# KiCad board Panel_R0.5.1_300x300_2layer_step1.kicad_pcb (continued)
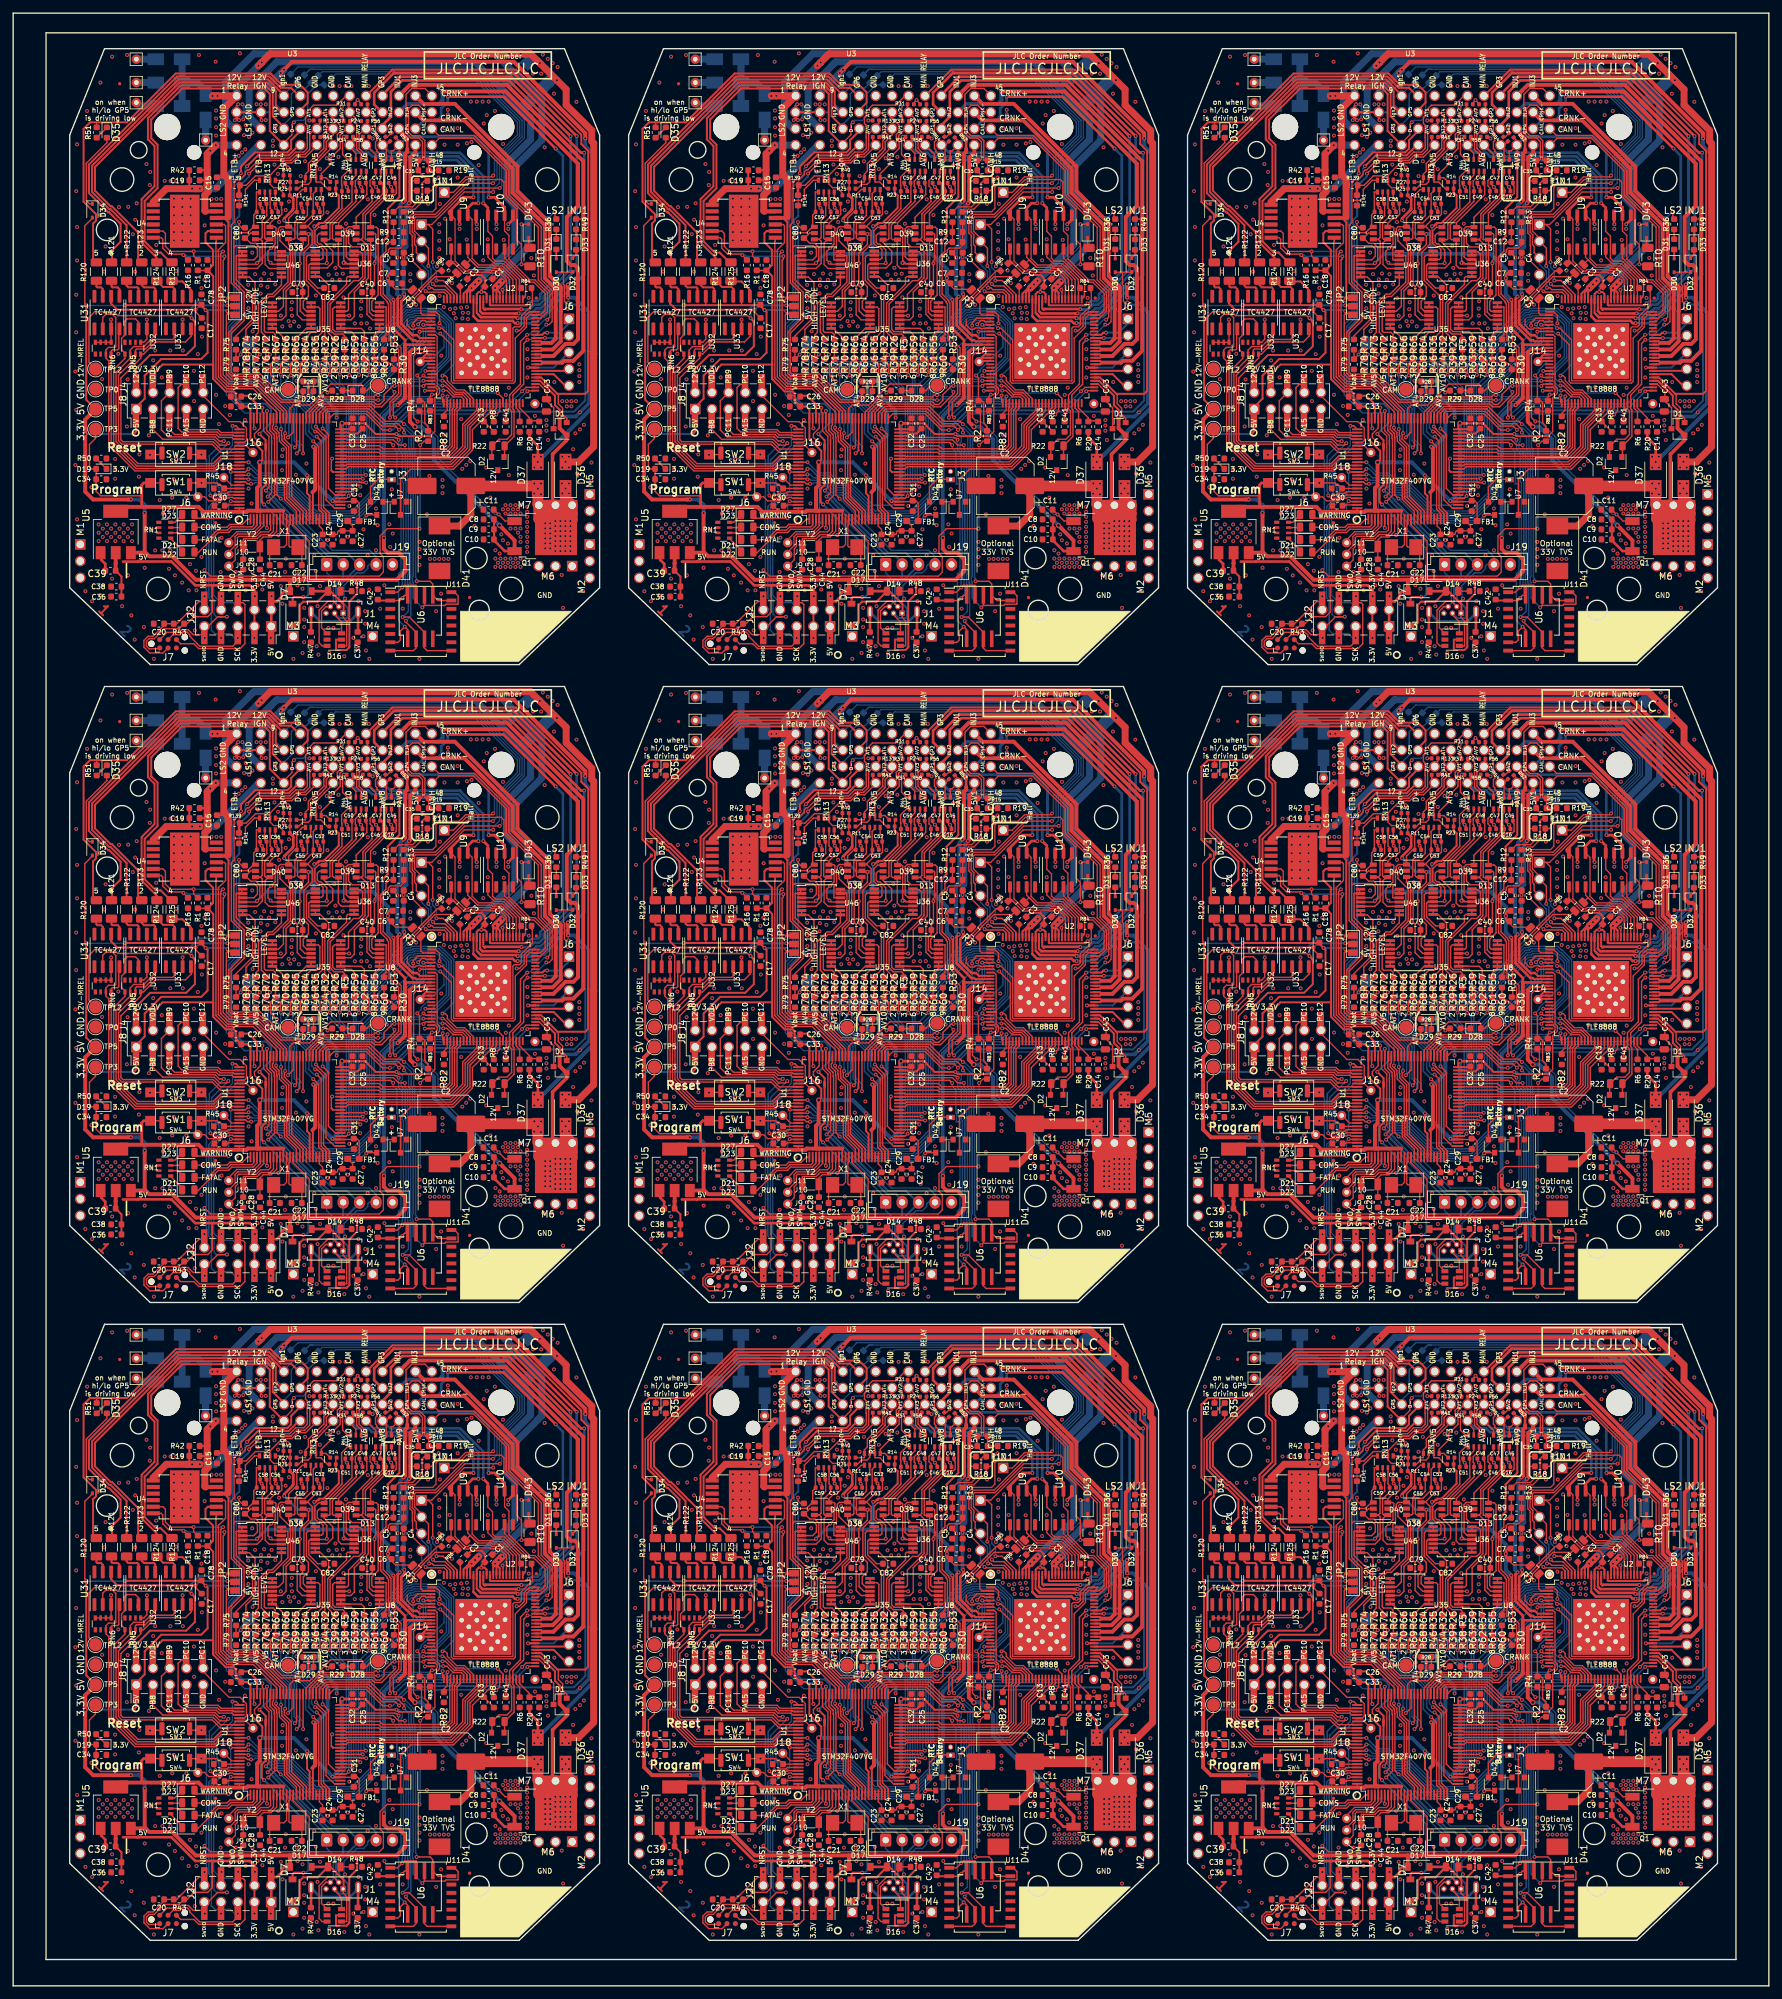
[diagram p0: board, top side]
## Routing (per net, layer and track width the routed paths; a pad name or vN(x,y) marks a point on that pad's centre or on a via; arc(x,y) is an arc through that point) (continued)
v1(77.15,29.91) v1(77.15,27.62) v1(77.15,26.35) v1(77.15,25.59) v1(77.15,23.05) v1(77.15,21.78) v1(78.2,248.9) v1(78.2,247.4) v1(78.2,244.6) v1(78.17,224.93) v1(78.17,224.16) v1(78.17,223.4) v1(78.17,222.64) v1(78.17,221.88) v1(78.17,221.12) v1(78.17,220.35) v1(78.17,219.59) v1(78.17,218.83) v1(78.17,218.07) v1(78.2,151.9) v1(78.2,150.4) v1(78.2,147.6) v1(78.17,127.93) v1(78.17,127.16) v1(78.17,126.4) v1(78.17,125.64) v1(78.17,124.88) v1(78.17,124.12) v1(78.17,123.35) v1(78.17,122.59) v1(78.17,121.83) v1(78.17,121.07) v1(78.2,54.9) v1(78.2,53.4) v1(78.2,50.6) v1(78.17,30.93) v1(78.17,30.16) v1(78.17,29.4) v1(78.17,28.64) v1(78.17,27.88) v1(78.17,27.12) v1(78.17,26.35) v1(78.17,25.59) v1(78.17,24.83) v1(78.17,24.07) v1(78.4,256.7) v1(78.4,159.7) v1(78.4,62.7) v1(78.81,262.77) v1(78.81,165.77) v1(78.81,68.77) v1(79.05,290.8) v1(79.05,193.8) v1(79.05,96.8) v1(79.19,260.1) v1(79.19,163.1) v1(79.19,66.1) v1(79.35,238.75) v1(79.35,141.75) v1(79.35,44.75) v1(79.6,208.2) v1(79.6,111.2) v1(79.6,14.2) v1(80.3,290.8) v1(80.3,193.8) v1(80.3,96.8) v1(80.55,293.7) v1(80.55,196.7) v1(80.55,99.7) v1(80.63,214.56) v1(80.63,117.56) v1(80.63,20.56) v1(80.83,279.6) v1(80.83,182.6) v1(80.83,85.6) v1(81.1,238.1) v1(81.1,237.3) v1(81.1,236.5) v1(81.1,141.1) v1(81.1,140.3) v1(81.1,139.5) v1(81.1,44.1) v1(81.1,43.3) v1(81.1,42.5) v1(81.3,293.05) v1(81.34,235.08) v1(81.3,196.05) v1(81.34,138.09) v1(81.3,99.05) v1(81.34,41.08) v1(81.9,214.56) v1(81.9,117.56) v1(81.9,20.56) v1(82.05,292.4) v1(82.05,195.4) v1(82.05,98.4) v1(82.25,287.75) v1(82.25,190.75) v1(82.25,93.75) v1(82.3,243.9) v1(82.3,146.9) v1(82.3,49.9) v1(82.8,291.8) v1(82.8,194.8) v1(82.8,97.8) v1(83.43,214.56) v1(83.43,117.56) v1(83.43,20.56) v1(83.5,241) v1(83.5,144) v1(83.5,47) v1(83.63,209.56) v1(83.63,112.56) v1(83.63,15.56) v1(84.2,241) v1(84.2,240.2) v1(84.2,144) v1(84.2,143.2) v1(84.2,47) v1(84.2,46.2) v1(84.34,255.02) v1(84.34,158.02) v1(84.34,61.02) v1(84.9,241) v1(84.9,240.2) v1(84.9,144) v1(84.9,143.2) v1(84.9,47) v1(84.9,46.2) v1(85.16,233.69) v1(85.16,136.69) v1(85.16,39.69) v1(85.5,236.1) v1(85.5,139.1) v1(85.5,42.1) v1(85.6,241) v1(85.6,144) v1(85.6,47) v1(85.66,286.52) v1(85.66,189.52) v1(85.66,92.52) v1(85.79,230) v1(85.79,133) v1(85.79,36) v1(86.1,246.6) v1(86.1,245.7) v1(86.1,244.8) v1(86.1,243.9) v1(86.1,149.6) v1(86.1,148.7) v1(86.1,147.8) v1(86.1,146.9) v1(86.1,52.6) v1(86.1,51.7) v1(86.1,50.8) v1(86.1,49.9) v1(86.2,236.7) v1(86.2,139.7) v1(86.2,42.7) v1(86.68,212.1) v1(86.68,115.1) v1(86.68,18.1) v1(86.8,237.4) v1(86.8,140.4) v1(86.8,43.4) v1(87.95,231.66) v1(87.95,228.86) v1(87.95,134.66) v1(87.95,131.86) v1(87.95,37.66) v1(87.95,34.86) v1(94.46,245.5) v1(94.46,231.28) v1(94.46,148.5) v1(94.46,134.28) v1(94.46,51.5) v1(94.46,37.27) v1(94.59,272.93) v1(94.59,257.18) v1(94.59,251.47) v1(94.59,239.66) v1(94.59,175.93) v1(94.59,160.18) v1(94.59,154.47) v1(94.59,142.66) v1(94.59,78.93) v1(94.59,63.18) v1(94.59,57.47) v1(94.59,45.66) v1(94.72,280.04) v1(94.72,267.47) v1(94.72,262.39) v1(94.72,223.02) v1(94.72,183.04) v1(94.72,170.47) v1(94.72,165.39) v1(94.72,126.02) v1(94.72,86.04) v1(94.72,73.47) v1(94.72,68.39) v1(94.72,29.02) v1(95.99,212.1) v1(95.99,115.1) v1(95.99,18.1) v1(96.24,285.12) v1(96.24,188.12) v1(96.24,91.12) v1(96.9,227.9) v1(96.9,130.9) v1(96.9,33.9) v1(97,210.57) v1(97,113.57) v1(97,16.57) v1(98.25,269.3) v1(98.25,172.3) v1(98.25,75.3) v1(98.27,289.44) v1(98.27,211.46) v1(98.27,192.44) v1(98.27,114.46) v1(98.27,95.44) v1(98.27,17.46) v1(98.53,244.36) v1(98.53,147.36) v1(98.53,50.36) v1(98.86,260.69) v1(98.86,163.69) v1(98.86,66.69) v1(99.06,264.52) v1(99.06,167.52) v1(99.06,70.52) v1(100.05,293.38) v1(100.05,214) v1(100.05,196.38) v1(100.05,117) v1(100.05,99.38) v1(100.05,20) v1(100.5,232.2) v1(100.5,230.7) v1(100.5,229.2) v1(100.5,135.2) v1(100.5,133.7) v1(100.5,132.2) v1(100.5,38.2) v1(100.5,36.7) v1(100.5,35.2) v1(101,248.2) v1(101,151.2) v1(101,54.2) v1(101.1,270.5) v1(101.1,173.5) v1(101.1,76.5) v1(101.57,209.81) v1(101.57,112.81) v1(101.57,15.81) v1(102.34,293.63) v1(102.29,237.14) v1(102.34,196.63) v1(102.29,140.14) v1(102.34,99.63) v1(102.29,43.14) v1(102.41,244.31) v1(102.41,147.31) v1(102.41,50.31) v1(102.5,270.55) v1(102.46,214.51) v1(102.5,173.55) v1(102.46,117.51) v1(102.5,76.55) v1(102.46,20.51) v1(102.97,208.42) v1(102.97,111.41) v1(102.97,14.42) v1(103.2,266.38) v1(103.2,169.38) v1(103.2,72.38) v1(103.4,233.6) v1(103.4,136.6) v1(103.4,39.6) v1(103.48,204.73) v1(103.48,107.73) v1(103.48,10.73) v1(103.56,268.59) v1(103.56,260.69) v1(103.61,227.34) v1(103.56,171.59) v1(103.56,163.69) v1(103.61,130.34) v1(103.56,74.59) v1(103.56,66.69) v1(103.61,33.34) v1(103.79,271.09) v1(103.79,174.09) v1(103.79,77.09) v1(104.12,229.5) v1(104.12,132.5) v1(104.12,35.5) v1(104.2,232.9) v1(104.2,135.9) v1(104.2,38.9) v1(104.88,206.64) v1(104.88,109.64) v1(104.88,12.64) v1(105,215.65) v1(105,118.65) v1(105,21.65) v1(105.28,277.04) v1(105.28,180.04) v1(105.28,83.04) v1(105.64,235.8) v1(105.64,138.8) v1(105.64,41.8) v1(105.84,275.86) v1(105.79,273.86) v1(105.84,178.86) v1(105.79,176.86) v1(105.84,81.86) v1(105.79,79.86) v1(106,221.4) v1(106,124.4) v1(106,27.4) v1(106.3,247.2) v1(106.3,150.2) v1(106.3,53.2) v1(106.4,201.81) v1(106.4,104.81) v1(106.4,7.81) v1(106.6,248.7) v1(106.6,218.3) v1(106.6,151.7) v1(106.6,121.3) v1(106.6,54.7) v1(106.6,24.3) v1(106.76,264.75) v1(106.76,167.75) v1(106.76,70.75) v1(107.29,225.94) v1(107.29,128.94) v1(107.29,31.94) v1(107.59,244.61) v1(107.59,147.61) v1(107.59,50.61) v1(107.7,218.3) v1(107.7,121.3) v1(107.7,24.3) v1(107.8,223.91) v1(107.8,126.91) v1(107.8,29.91) v1(108.05,274.5) v1(108.05,177.5) v1(108.05,80.5) v1(108.7,215.5) v1(108.7,118.5) v1(108.7,21.5) v1(108.95,274.5) v1(108.9,248.7) v1(108.9,218.3) v1(108.95,177.5) v1(108.9,151.7) v1(108.9,121.3) v1(108.95,80.5) v1(108.9,54.7) v1(108.9,24.3) v1(109.19,226.32) v1(109.19,129.32) v1(109.19,32.32) v1(109.45,271.79) v1(109.45,270.52) v1(109.45,269.25) v1(109.45,267.98) v1(109.45,266.71) v1(109.45,265.44) v1(109.45,229.12) v1(109.45,174.79) v1(109.45,173.52) v1(109.45,172.25) v1(109.45,170.98) v1(109.45,169.71) v1(109.45,168.44) v1(109.45,132.12) v1(109.45,77.79) v1(109.45,76.52) v1(109.45,75.25) v1(109.45,73.98) v1(109.45,72.71) v1(109.45,71.44) v1(109.45,35.12) v1(109.6,214.5) v1(109.6,117.5) v1(109.6,20.5) v1(109.8,274.5) v1(109.78,260.79) v1(109.83,232.16) v1(109.8,177.5) v1(109.78,163.79) v1(109.83,135.16) v1(109.8,80.5) v1(109.78,66.79) v1(109.83,38.16) v1(110.7,274.5) v1(110.72,271.79) v1(110.72,270.52) v1(110.72,269.25) v1(110.72,267.98) v1(110.72,266.71) v1(110.72,265.44) v1(110.7,213.4) v1(110.7,177.5) v1(110.72,174.79) v1(110.72,173.52) v1(110.72,172.25) v1(110.72,170.98) v1(110.72,169.71) v1(110.72,168.44) v1(110.7,116.4) v1(110.7,80.5) v1(110.72,77.79) v1(110.72,76.52) v1(110.72,75.25) v1(110.72,73.98) v1(110.72,72.71) v1(110.72,71.44) v1(110.7,19.4) v1(110.8,248.7) v1(110.8,151.7) v1(110.8,54.7) v1(111.35,226.32) v1(111.35,129.32) v1(111.35,32.32) v1(111.7,212.22) v1(111.7,115.22) v1(111.7,18.23) v1(111.9,216.2) v1(111.9,119.2) v1(111.9,22.2) v1(111.99,271.79) v1(111.99,270.52) v1(111.99,269.25) v1(111.99,267.98) v1(111.99,266.71) v1(111.99,265.44) v1(111.99,174.79) v1(111.99,173.52) v1(111.99,172.25) v1(111.99,170.98) v1(111.99,169.71) v1(111.99,168.44) v1(111.99,77.79) v1(111.99,76.52) v1(111.99,75.25) v1(111.99,73.98) v1(111.99,72.71) v1(111.99,71.44) v1(112.5,245.6) v1(112.52,241) v1(112.5,208.92) v1(112.5,148.6) v1(112.52,144) v1(112.5,111.92) v1(112.5,51.6) v1(112.52,47) v1(112.5,14.92) v1(112.62,206.13) v1(112.62,109.13) v1(112.62,12.13) v1(112.8,215.2) v1(112.8,118.2) v1(112.8,21.2) v1(112.88,212.22) v1(112.88,115.22) v1(112.88,18.23) v1(113.08,248.14) v1(113.08,151.14) v1(113.08,54.14) v1(113.26,293.63) v1(113.26,196.63) v1(113.26,99.63) v1(113.64,258.2) v1(113.64,217.31) v1(113.64,161.2) v1(113.64,120.31) v1(113.64,64.2) v1(113.64,23.31) v1(113.7,250.8) v1(113.7,153.8) v1(113.7,56.8) v1(113.87,237.4) v1(113.87,140.4) v1(113.87,43.4) v1(114.12,267.72) v1(114.1,259.44) v1(114.12,170.72) v1(114.1,162.44) v1(114.12,73.72) v1(114.1,65.44) v1(115.16,271.74) v1(115.16,174.74) v1(115.16,77.74) v1(115.8,292.62) v1(115.8,195.62) v1(115.8,98.62) v1(115.86,285.19) v1(115.86,283.98) v1(115.86,282.65) v1(115.86,281.38) v1(115.93,271.74) v1(115.88,241.97) v1(115.86,188.19) v1(115.86,186.98) v1(115.86,185.65) v1(115.86,184.38) v1(115.93,174.74) v1(115.88,144.97) v1(115.86,91.19) v1(115.86,89.98) v1(115.86,88.65) v1(115.86,87.38) v1(115.93,77.74) v1(115.88,47.97) v1(116.31,237.5) v1(116.31,140.5) v1(116.31,43.5) v1(116.64,271.74) v1(116.56,215.02) v1(116.62,204.99) v1(116.56,201.81) v1(116.64,174.74) v1(116.56,118.02) v1(116.62,107.99) v1(116.56,104.81) v1(116.64,77.74) v1(116.56,21.02) v1(116.62,10.99) v1(116.56,7.81) v1(116.69,220.23) v1(116.69,211.34) v1(116.69,123.23) v1(116.69,114.34) v1(116.69,26.23) v1(116.69,17.34) v1(117.25,240.25) v1(117.25,143.25) v1(117.25,46.25) v1(117.9,212.22) v1(117.9,115.22) v1(117.9,18.23) v1(117.96,238.89) v1(117.96,141.9) v1(117.96,44.89) v1(118.3,277.3) v1(118.3,180.3) v1(118.3,83.3) v1(118.8,277.8) v1(118.85,215.02) v1(118.8,180.8) v1(118.85,118.02) v1(118.8,83.8) v1(118.85,21.02) v1(119,223.1) v1(119,126.1) v1(119,29.1) v1(119.3,278.3) v1(119.3,181.3) v1(119.3,84.3) v1(119.48,293.89) v1(119.48,196.89) v1(119.48,99.89) v1(119.8,278.8) v1(119.8,181.8) v1(119.8,84.8) v1(120.12,281.44) v1(120.12,184.44) v1(120.12,87.44) v1(120.24,238.13) v1(120.24,141.13) v1(120.24,44.13) v1(120.3,279.3) v1(120.3,182.3) v1(120.3,85.3) v1(120.37,282.96) v1(120.37,212.22) v1(120.37,185.96) v1(120.37,115.22) v1(120.37,88.96) v1(120.37,18.23) v1(120.62,282.2) v1(120.62,185.2) v1(120.62,88.2) v1(120.75,258.7) v1(120.75,256.73) v1(120.78,255.13) v1(120.75,253.73) v1(120.8,227.7) v1(120.75,216.16) v1(120.75,161.7) v1(120.75,159.73) v1(120.78,158.13) v1(120.75,156.73) v1(120.8,130.7) v1(120.75,119.16) v1(120.75,64.7) v1(120.75,62.73) v1(120.78,61.13) v1(120.75,59.73) v1(120.8,33.7) v1(120.75,22.16) v1(120.88,281.19) v1(120.88,184.19) v1(120.88,87.19) v1(121.26,225.43) v1(121.26,128.43) v1(121.26,31.43) v1(121.39,281.82) v1(121.36,263.58) v1(121.42,251.62) v1(121.39,215.02) v1(121.39,184.82) v1(121.36,166.58) v1(121.42,154.62) v1(121.39,118.02) v1(121.39,87.82) v1(121.36,69.58) v1(121.42,57.62) v1(121.39,21.02) v1(121.64,216.16) v1(121.64,119.16) v1(121.64,22.16) v1(121.79,260.31) v1(121.79,163.31) v1(121.79,66.31) v1(122.02,286.14) v1(122.02,189.14) v1(122.02,92.14) v1(122.15,212.99) v1(122.15,115.99) v1(122.15,18.99) v1(122.23,275.88) v1(122.23,178.88) v1(122.23,81.88) v1(122.63,257.36) v1(122.63,160.36) v1(122.63,63.36) v1(122.68,259.52) v1(122.68,258.61) v1(122.68,162.52) v1(122.68,161.61) v1(122.68,65.52) v1(122.68,64.61) v1(122.9,212.35) v1(122.9,115.35) v1(122.9,18.35) v1(123.16,260.41) v1(123.16,163.41) v1(123.16,66.41) v1(123.42,286.14) v1(123.42,283.73) v1(123.42,189.14) v1(123.42,186.73) v1(123.42,92.14) v1(123.42,89.73) v1(123.67,258.35) v1(123.67,161.35) v1(123.67,64.35) v1(123.9,259.44) v1(123.93,212.99) v1(123.9,162.44) v1(123.93,115.99) v1(123.9,65.44) v1(123.93,18.99) v1(124.18,215.02) v1(124.18,118.02) v1(124.18,21.02) v1(124.31,260.31) v1(124.31,163.31) v1(124.31,66.31) v1(124.5,280.6) v1(124.5,279.8) v1(124.5,183.6) v1(124.5,182.8) v1(124.5,86.6) v1(124.5,85.8) v1(124.74,276.97) v1(124.74,179.97) v1(124.74,82.97) v1(124.8,282.6) v1(124.8,185.6) v1(124.8,88.6) v1(124.87,258.76) v1(124.87,161.76) v1(124.87,64.76) v1(125.27,275.55) v1(125.27,178.55) v1(125.27,81.55) v1(125.45,268.23) v1(125.48,256.65) v1(125.45,171.23) v1(125.48,159.65) v1(125.45,74.23) v1(125.48,62.65) v1(125.7,254) v1(125.71,212.86) v1(125.7,157) v1(125.71,115.86) v1(125.7,60) v1(125.71,18.86) v1(125.9,266.96) v1(125.93,252.36) v1(125.9,232.65) v1(125.9,230.5) v1(125.9,169.96) v1(125.93,155.36) v1(125.9,135.65) v1(125.9,133.5) v1(125.9,72.96) v1(125.93,58.36) v1(125.9,38.65) v1(125.9,36.5) v1(125.99,233.63) v1(125.96,210.19) v1(125.99,136.63) v1(125.96,113.19) v1(125.99,39.63) v1(125.96,16.19) v1(126.14,273.82) v1(126.14,176.82) v1(126.14,79.82) v1(126.34,215.02) v1(126.34,118.02) v1(126.34,21.02) v1(126.44,270.06) v1(126.44,173.06) v1(126.44,76.06) v1(126.47,217.05) v1(126.47,120.05) v1(126.47,23.05) v1(126.77,276.54) v1(126.77,179.54) v1(126.77,82.54) v1(126.95,271.36) v1(126.9,253.17) v1(126.95,174.36) v1(126.9,156.17) v1(126.95,77.36) v1(126.9,59.17) v1(127.15,252.46) v1(127.15,155.46) v1(127.15,58.46) v1(127.31,254.97) v1(127.31,157.97) v1(127.31,60.97) v1(127.38,256.04) v1(127.4,254) v1(127.38,159.04) v1(127.4,157) v1(127.38,62.04) v1(127.4,60) v1(127.61,201.81) v1(127.61,104.81) v1(127.61,7.81) v1(127.74,253.09) v1(127.74,156.09) v1(127.74,59.09) v1(128,264.8) v1(128,229.8) v1(128,167.8) v1(128,132.8) v1(128,70.8) v1(128,35.8) v1(128.12,215.02) v1(128.12,118.02) v1(128.12,21.02) v1(128.25,212.99) v1(128.25,115.99) v1(128.25,18.99) v1(128.45,252.36) v1(128.45,155.36) v1(128.45,58.36) v1(128.73,275.22) v1(128.73,178.22) v1(128.73,81.22) v1(128.9,228.9) v1(128.9,131.9) v1(128.9,34.9) v1(129.01,212.48) v1(129.01,202.7) v1(129.01,115.48) v1(129.01,105.7) v1(129.01,18.48) v1(129.01,8.7) v1(129.26,209.56) v1(129.26,207.78) v1(129.26,206.64) v1(129.26,204.35) v1(129.26,112.56) v1(129.26,110.78) v1(129.26,109.64) v1(129.26,107.35) v1(129.26,15.56) v1(129.26,13.78) v1(129.26,12.64) v1(129.26,10.35) v1(129.39,277.48) v1(129.39,180.48) v1(129.39,83.48) v1(129.6,231.5) v1(129.6,134.5) v1(129.6,37.5) v1(130.28,203.34) v1(130.28,106.34) v1(130.28,9.33) v1(130.78,217.56) v1(130.78,120.56) v1(130.78,23.56) v1(131.04,257.06) v1(131.04,215.15) v1(131.04,160.06) v1(131.04,118.15) v1(131.04,63.06) v1(131.04,21.15) v1(131.17,203.72) v1(131.17,106.72) v1(131.17,9.72) v1(131.29,209.81) v1(131.29,112.81) v1(131.29,15.81) v1(131.42,202.45) v1(131.42,105.45) v1(131.42,8.45) v1(131.65,276.28) v1(131.65,179.28) v1(131.65,82.28) v1(131.67,212.86) v1(131.67,115.86) v1(131.67,18.86) v1(132.69,277.93) v1(132.69,180.93) v1(132.69,83.93) v1(132.79,269.71) v1(132.82,219.84) v1(132.79,172.71) v1(132.82,122.84) v1(132.79,75.71) v1(132.82,25.85) v1(132.94,206.51) v1(132.94,109.51) v1(132.94,12.51) v1(132.97,260.23) v1(132.97,163.23) v1(132.97,66.23) v1(133.07,202.7) v1(133.07,105.7) v1(133.07,8.7) v1(133.4,272.32) v1(133.4,175.32) v1(133.4,78.32) v1(133.53,259.47) v1(133.53,162.47) v1(133.53,65.47) v1(133.7,288.9) v1(133.71,206.51) v1(133.7,191.9) v1(133.71,109.51) v1(133.7,94.9) v1(133.71,12.51) v1(133.85,264.55) v1(133.85,167.55) v1(133.85,70.55) v1(134.01,261.27) v1(134.01,164.27) v1(134.01,67.27) v1(134.21,260.31) v1(134.21,163.31) v1(134.21,66.31) v1(134.47,278.14) v1(134.47,181.14) v1(134.47,84.14) v1(134.65,288.9) v1(134.67,259.47) v1(134.65,191.9) v1(134.67,162.47) v1(134.65,94.9) v1(134.67,65.47) v1(134.98,285.76) v1(134.98,188.76) v1(134.98,91.76) v1(135.13,260.38) v1(135.13,163.38) v1(135.13,66.38) v1(135.23,256.78) v1(135.23,159.78) v1(135.23,62.78) v1(135.36,202.19) v1(135.36,105.19) v1(135.36,8.19) v1(135.55,288.9) v1(135.61,267.98) v1(135.55,191.9) v1(135.61,170.98) v1(135.55,94.9) v1(135.61,73.98) v1(135.87,220.35) v1(135.87,123.35) v1(135.87,26.35) v1(136.1,254) v1(136.12,225.05) v1(136.1,157) v1(136.12,128.05) v1(136.1,60) v1(136.12,31.05) v1(136.45,288.9) v1(136.45,191.9) v1(136.45,94.9) v1(136.75,204.99) v1(136.75,107.99) v1(136.75,10.99) v1(136.96,252.81) v1(136.96,155.81) v1(136.96,58.81) v1(137.39,285.25) v1(137.39,203.34) v1(137.39,188.25) v1(137.39,106.34) v1(137.39,91.25) v1(137.39,9.33) v1(137.52,210.57) v1(137.52,113.57) v1(137.52,16.57) v1(137.77,226.7) v1(137.77,129.7) v1(137.77,32.7) v1(137.95,256.19) v1(137.87,255.07) v1(137.9,254) v1(137.95,252.81) v1(137.95,159.19) v1(137.87,158.07) v1(137.9,157) v1(137.95,155.81) v1(137.95,62.19) v1(137.87,61.07) v1(137.9,60) v1(137.95,58.81) v1(138.02,218.96) v1(138.02,121.96) v1(138.02,24.96) v1(138.28,221.5) v1(138.28,205.24) v1(138.28,124.5) v1(138.28,108.24) v1(138.28,27.5) v1(138.28,11.24) v1(138.4,288.9) v1(138.4,191.9) v1(138.4,94.9) v1(138.53,209.05) v1(138.53,207.14) v1(138.53,112.05) v1(138.53,110.15) v1(138.53,15.05) v1(138.53,13.14) v1(138.66,203.08) v1(138.66,106.08) v1(138.66,9.08) v1(138.79,252.84) v1(138.79,155.84) v1(138.79,58.84) v1(138.94,271.69) v1(138.91,217.56) v1(138.94,174.69) v1(138.91,120.56) v1(138.94,77.69) v1(138.91,23.56) v1(139.1,288.9) v1(139.1,191.9) v1(139.1,94.9) v1(139.17,212.35) v1(139.17,201.81) v1(139.17,115.35) v1(139.17,104.81) v1(139.17,18.35) v1(139.17,7.81) v1(139.27,252.05) v1(139.27,155.05) v1(139.27,58.05) v1(139.95,269.3) v1(139.95,172.3) v1(139.95,75.3) v1(140.18,224.67) v1(140.18,218.32) v1(140.18,127.67) v1(140.18,121.32) v1(140.18,30.67) v1(140.18,24.32) v1(140.44,222.13) v1(140.44,125.13) v1(140.44,28.13) v1(140.82,209.43) v1(140.82,112.43) v1(140.82,15.43) v1(141.15,266.43) v1(141.15,169.43) v1(141.15,72.43) v1(141.45,212.99) v1(141.45,115.99) v1(141.45,18.99) v1(142.22,222.26) v1(142.22,125.26) v1(142.22,28.26) v1(142.27,271.58) v1(142.34,218.83) v1(142.27,174.58) v1(142.34,121.83) v1(142.27,77.58) v1(142.34,24.83) v1(142.6,227.59) v1(142.6,130.59) v1(142.6,33.59) v1(142.72,220.86) v1(142.72,123.86) v1(142.72,26.86) v1(142.98,276.87) v1(142.98,179.87) v1(142.98,82.87) v1(144.25,209.43) v1(144.25,112.43) v1(144.25,15.43) v1(145.4,260.3) v1(145.4,259.3) v1(145.4,163.3) v1(145.4,162.3) v1(145.4,66.3) v1(145.4,65.3) v1(146.28,255.66) v1(146.28,158.66) v1(146.28,61.66) v1(146.5,235) v1(146.5,138) v1(146.5,41) v1(146.8,219.6) v1(146.8,218.5) v1(146.8,217.3) v1(146.8,216.1) v1(146.79,201.81) v1(146.8,122.6) v1(146.8,121.5) v1(146.8,120.3) v1(146.8,119.1) v1(146.79,104.81) v1(146.8,25.6) v1(146.8,24.5) v1(146.8,23.3) v1(146.8,22.1) v1(146.79,7.81) v1(147.93,223.78) v1(147.93,126.78) v1(147.93,29.78) v1(148.1,271) v1(148.1,174) v1(148.1,77) v1(148.31,229.62) v1(148.31,132.62) v1(148.31,35.62) v1(148.4,237.9) v1(148.4,217) v1(148.4,140.9) v1(148.4,120) v1(148.4,43.9) v1(148.4,23) v1(149.1,217) v1(149.1,120) v1(149.1,23) v1(149.33,209.05) v1(149.33,112.05) v1(149.33,15.05) v1(149.45,261.5) v1(149.45,164.5) v1(149.45,67.5) v1(149.7,275) v1(149.7,178) v1(149.7,81) v1(149.8,267.9) v1(149.8,266.7) v1(149.8,265.4) v1(149.8,264.1) v1(149.8,262.8) v1(149.8,217) v1(149.8,170.9) v1(149.8,169.7) v1(149.8,168.4) v1(149.8,167.1) v1(149.8,165.8) v1(149.8,120) v1(149.8,73.9) v1(149.8,72.7) v1(149.8,71.4) v1(149.8,70.1) v1(149.8,68.8) v1(149.8,23) v1(149.9,271) v1(149.86,256.98) v1(149.9,174) v1(149.86,159.98) v1(149.9,77) v1(149.86,62.98) v1(150.11,247.91) v1(150.09,211.72) v1(150.11,150.91) v1(150.09,114.72) v1(150.11,53.91) v1(150.09,17.72) v1(150.17,262.03) v1(150.17,165.03) v1(150.17,68.03) v1(150.3,229) v1(150.3,228) v1(150.3,227) v1(150.3,132) v1(150.3,131) v1(150.3,130) v1(150.3,35) v1(150.3,34) v1(150.3,33) v1(150.5,255.3) v1(150.5,235.9) v1(150.5,234.5) v1(150.5,217) v1(150.5,158.3) v1(150.5,138.9) v1(150.5,137.5) v1(150.5,120) v1(150.5,61.3) v1(150.5,41.9) v1(150.5,40.5) v1(150.5,23) v1(150.6,282.5) v1(150.6,280) v1(150.6,185.5) v1(150.6,183) v1(150.6,88.5) v1(150.6,86) v1(150.7,268.74) v1(150.7,171.74) v1(150.7,74.74) v1(151.1,285.3) v1(151.1,284.6) v1(151.1,188.3) v1(151.1,187.6) v1(151.1,91.3) v1(151.1,90.6) v1(151.23,260.87) v1(151.2,217) v1(151.23,163.87) v1(151.2,120) v1(151.23,66.87) v1(151.2,23) v1(151.38,265.62) v1(151.44,255) v1(151.38,168.62) v1(151.44,158) v1(151.38,71.62) v1(151.44,61) v1(151.74,258.96) v1(151.74,161.96) v1(151.74,64.96) v1(152.02,254.36) v1(152.02,157.36) v1(152.02,60.36) v1(152.25,255.1) v1(152.25,158.1) v1(152.25,61.1) v1(152.3,253.6) v1(152.3,156.6) v1(152.3,59.6) v1(152.6,282.5) v1(152.6,280) v1(152.6,275) v1(152.6,185.5) v1(152.6,183) v1(152.6,178) v1(152.6,88.5) v1(152.6,86) v1(152.6,81) v1(152.9,267.2) v1(152.9,170.2) v1(152.9,73.2) v1(153.14,255.2) v1(153.14,238.26) v1(153.14,158.2) v1(153.14,141.26) v1(153.14,61.2) v1(153.14,44.26) v1(153.31,253.58) v1(153.3,230.7) v1(153.31,156.58) v1(153.3,133.7) v1(153.31,59.58) v1(153.3,36.7) v1(153.39,254.44) v1(153.39,157.44) v1(153.39,60.44) v1(153.9,231.3) v1(153.9,208.1) v1(153.9,205.8) v1(153.9,203.3) 